# KiCad board berlin.kicad_pcb
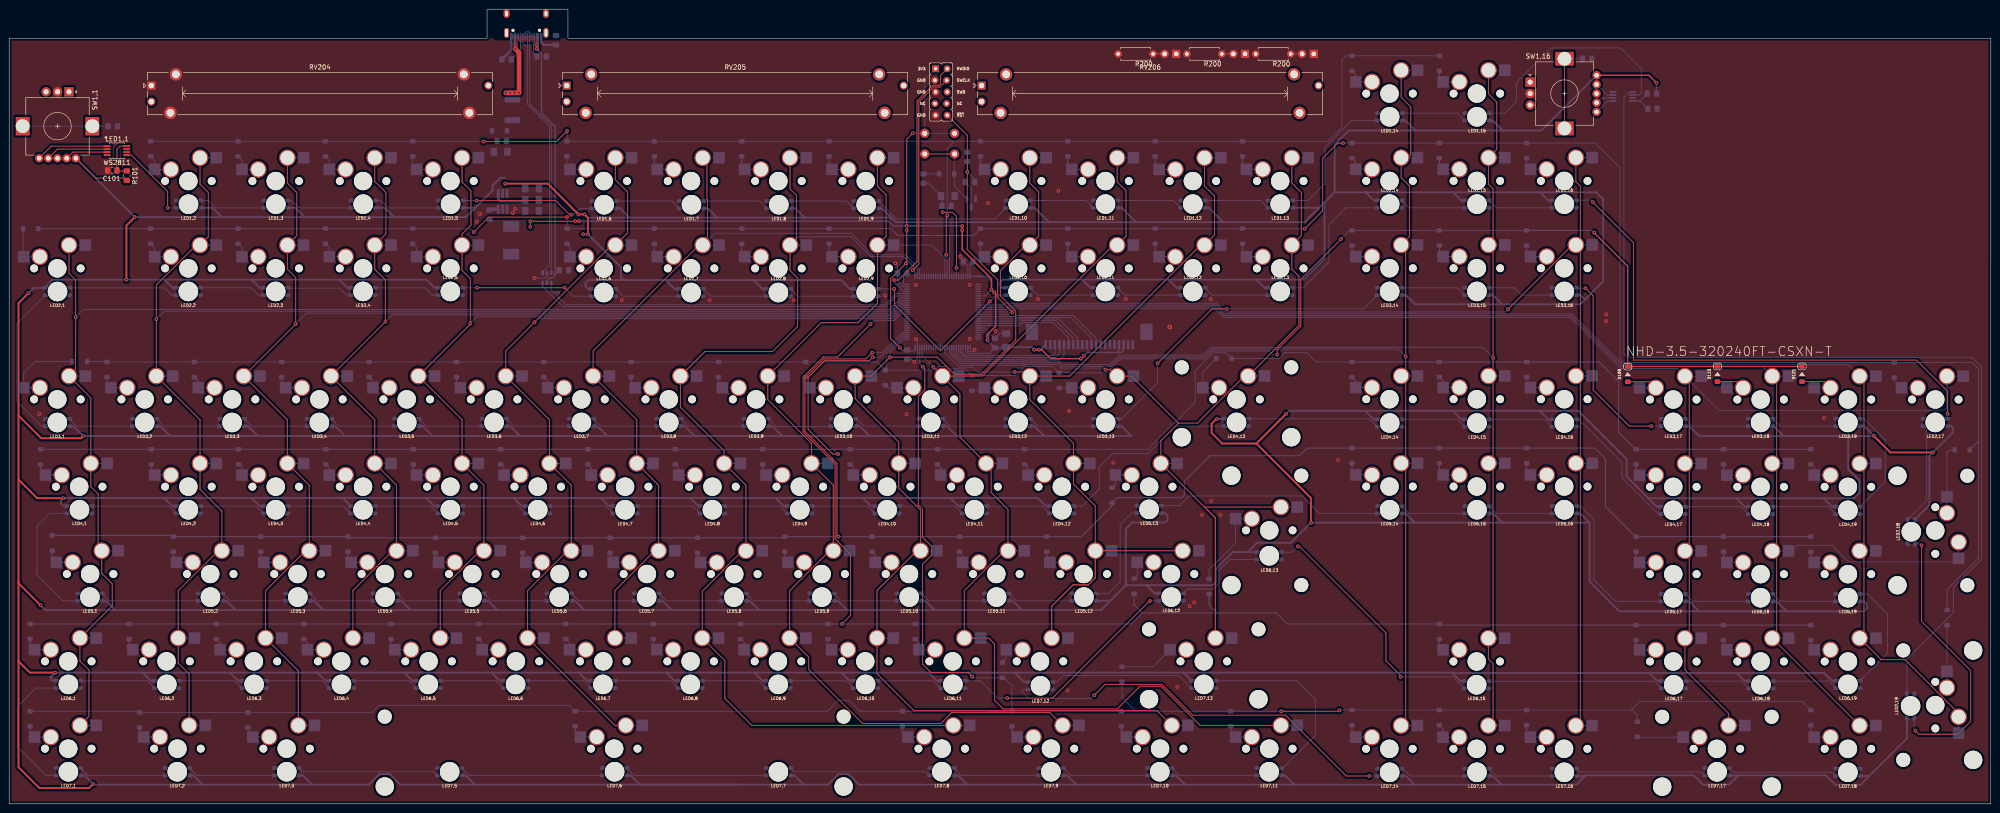
[diagram p0: board, top side]
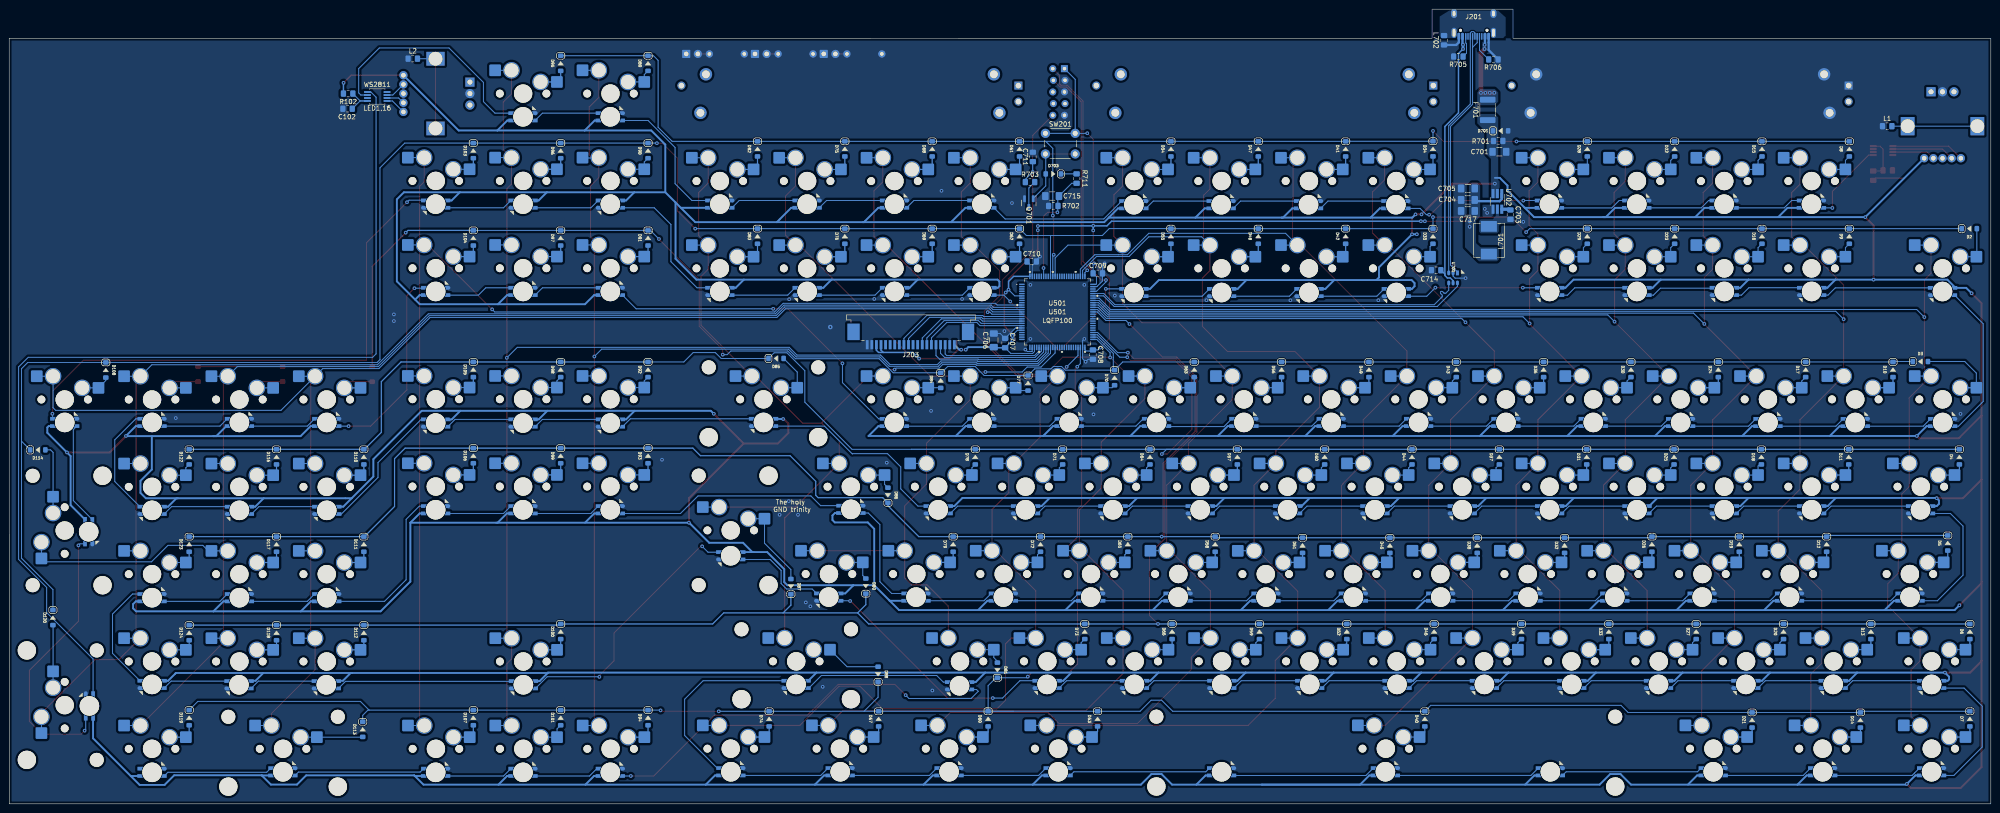
[diagram p1: board, bottom side, seen from below]

Outline 432.2 x 173.35 mm; copper layers: Top, Bottom. Coordinates in mm from the lower left corner of the outline.
Outline path: 121.87,167 432.2,167.02 432.18,0 0,0 0,167 104.22,167 104.22,173.35 121.87,173.35 closed
Stack: Top 0.035mm / dielectric 1.51mm FR4 er 4.5 / Bottom 0.035mm

## Placement (name value [footprint] x y rotation side)
C101  100n  [C_0805_2012Metric_Pad1.15x1.40mm_HandSolder]  22.48 138.18 180 top
C102  100n  [C_0805_2012Metric_Pad1.15x1.40mm_HandSolder]  358.39 151.64 0 bottom
C701  22uF  [C_1206_3216Metric_Pad1.42x1.75mm_HandSolder]  107.19 142.24 180 bottom
C703  100n  [C_0805_2012Metric_Pad1.15x1.40mm_HandSolder]  104.77 128.52 270 bottom
C704  22uF  [C_1206_3216Metric_Pad1.42x1.75mm_HandSolder]  114.05 131.74 0 bottom
C705  22uF  [C_1206_3216Metric_Pad1.42x1.75mm_HandSolder]  114.05 134.24 0 bottom
C706  10u  [C_1206_3216Metric_Pad1.42x1.75mm_HandSolder]  217.45 101.11 90 bottom
C707  100n  [C_0805_2012Metric_Pad1.15x1.40mm_HandSolder]  214.99 100.52 90 bottom
C708  100n  [C_0805_2012Metric_Pad1.15x1.40mm_HandSolder]  195.83 97.99 270 bottom
C709  100n  [C_0805_2012Metric_Pad1.15x1.40mm_HandSolder]  194.77 115.72 180 bottom
C710  100n  [C_0805_2012Metric_Pad1.15x1.40mm_HandSolder]  209.17 118.31 180 bottom
C711  100nF  [C_0805_2012Metric_Pad1.15x1.40mm_HandSolder]  208.94 141.12 90 bottom
C714  4.7n  [C_0805_2012Metric_Pad1.15x1.40mm_HandSolder]  120.98 116.41 0 bottom
C715  10u  [C_1206_3216Metric_Pad1.42x1.75mm_HandSolder]  204.72 132.59 0 bottom
C717  22uF  [C_1206_3216Metric_Pad1.42x1.75mm_HandSolder]  114.05 129.34 0 bottom
D2  1N4148  [D_SOD-123]  4.7 125.48 180 bottom
D3  1N4148  [D_SOD-123]  15.37 96.49 180 bottom
D4  1N4148  [D_SOD-123]  6.86 75.69 270 bottom
D5  1N4148  [D_SOD-123]  9.4 56.9 270 bottom
D6  1N4148  [D_SOD-123]  4.57 37.59 270 bottom
D7  1N4148  [D_SOD-123]  4.57 18.54 270 bottom
D8  1N4148  [D_SOD-123]  30.86 142.88 270 bottom
D9  1N4148  [D_SOD-123]  30.86 123.82 270 bottom
D10  1N4148  [D_SOD-123]  21.34 94.74 270 bottom
D11  1N4148  [D_SOD-123]  30.99 75.69 270 bottom
D12  1N4148  [D_SOD-123]  35.81 56.64 270 bottom
D13  1N4148  [D_SOD-123]  26.16 37.59 270 bottom
D14  1N4148  [D_SOD-123]  28.45 18.29 270 bottom
D15  1N4148  [D_SOD-123]  49.91 142.88 270 bottom
D16  1N4148  [D_SOD-123]  49.91 123.82 270 bottom
D17  1N4148  [D_SOD-123]  40.39 94.74 270 bottom
D18  1N4148  [D_SOD-123]  50.04 75.69 270 bottom
D19  1N4148  [D_SOD-123]  54.86 56.64 270 bottom
D20  1N4148  [D_SOD-123]  45.21 37.59 270 bottom
D21  1N4148  [D_SOD-123]  52.07 18.29 270 bottom
D22  1N4148  [D_SOD-123]  68.96 142.88 270 bottom
D23  1N4148  [D_SOD-123]  68.96 123.82 270 bottom
D24  1N4148  [D_SOD-123]  59.44 94.74 270 bottom
D25  1N4148  [D_SOD-123]  69.09 75.69 270 bottom
D26  1N4148  [D_SOD-123]  73.91 56.64 270 bottom
D27  1N4148  [D_SOD-123]  64.26 37.59 270 bottom
D28  1N4148  [D_SOD-123]  88.01 142.88 270 bottom
D29  1N4148  [D_SOD-123]  88.01 123.82 270 bottom
D30  1N4148  [D_SOD-123]  78.49 94.74 270 bottom
D31  1N4148  [D_SOD-123]  88.14 75.69 270 bottom
D32  1N4148  [D_SOD-123]  92.96 56.39 270 bottom
D33  1N4148  [D_SOD-123]  83.31 37.59 270 bottom
D34  1N4148  [D_SOD-123]  121.67 142.89 270 bottom
D35  1N4148  [D_SOD-123]  121.67 123.82 270 bottom
D36  1N4148  [D_SOD-123]  97.54 94.74 270 bottom
D37  1N4148  [D_SOD-123]  107.19 75.69 270 bottom
D38  1N4148  [D_SOD-123]  112.01 56.39 270 bottom
D39  1N4148  [D_SOD-123]  102.36 37.59 270 bottom
D40  1N4148  [D_SOD-123]  123.44 18.54 270 bottom
D41  1N4148  [D_SOD-123]  140.72 142.88 270 bottom
D42  1N4148  [D_SOD-123]  140.72 123.82 270 bottom
D43  1N4148  [D_SOD-123]  116.59 94.74 270 bottom
D44  1N4148  [D_SOD-123]  126.24 75.69 270 bottom
D45  1N4148  [D_SOD-123]  131.06 56.39 270 bottom
D46  1N4148  [D_SOD-123]  121.41 37.59 270 bottom
D47  1N4148  [D_SOD-123]  159.77 142.88 270 bottom
D48  1N4148  [D_SOD-123]  159.77 123.82 270 bottom
D49  1N4148  [D_SOD-123]  135.64 94.74 270 bottom
D50  1N4148  [D_SOD-123]  145.29 75.69 270 bottom
D51  1N4148  [D_SOD-123]  150.11 56.39 270 bottom
D52  1N4148  [D_SOD-123]  140.46 37.59 270 bottom
D53  1N4148  [D_SOD-123]  194.82 18.54 270 bottom
D54  1N4148  [D_SOD-123]  178.82 142.88 270 bottom
D55  1N4148  [D_SOD-123]  178.82 123.82 270 bottom
D56  1N4148  [D_SOD-123]  154.69 94.74 270 bottom
D57  1N4148  [D_SOD-123]  164.34 75.69 270 bottom
D58  1N4148  [D_SOD-123]  169.16 56.64 270 bottom
D59  1N4148  [D_SOD-123]  159.51 37.59 270 bottom
D60  1N4148  [D_SOD-123]  218.69 18.54 270 bottom
D61  1N4148  [D_SOD-123]  211.84 142.88 270 bottom
D62  1N4148  [D_SOD-123]  211.84 123.82 270 bottom
D63  1N4148  [D_SOD-123]  173.74 94.74 270 bottom
D64  1N4148  [D_SOD-123]  183.39 75.69 270 bottom
D65  1N4148  [D_SOD-123]  188.21 56.64 270 bottom
D66  1N4148  [D_SOD-123]  178.56 37.59 270 bottom
D67  1N4148  [D_SOD-123]  242.57 18.54 270 bottom
D68  1N4148  [D_SOD-123]  230.89 142.88 270 bottom
D69  1N4148  [D_SOD-123]  230.89 123.82 270 bottom
D70  1N4148  [D_SOD-123]  191.11 92.96 270 bottom
D71  1N4148  [D_SOD-123]  202.44 75.69 270 bottom
D72  1N4148  [D_SOD-123]  207.26 56.64 270 bottom
D73  1N4148  [D_SOD-123]  197.61 37.59 270 bottom
D74  1N4148  [D_SOD-123]  266.45 18.54 270 bottom
D75  1N4148  [D_SOD-123]  249.94 142.88 270 bottom
D76  1N4148  [D_SOD-123]  249.94 123.82 270 bottom
D77  1N4148  [D_SOD-123]  209.98 91.8 270 bottom
D78  1N4148  [D_SOD-123]  221.49 75.69 270 bottom
D79  1N4148  [D_SOD-123]  226.31 56.64 270 bottom
D80  1N4148  [D_SOD-123]  245.36 47.5 90 bottom
D81  1N4148  [D_SOD-123]  216.67 29.15 90 bottom
D82  1N4148  [D_SOD-123]  268.99 142.88 270 bottom
D83  1N4148  [D_SOD-123]  268.99 123.82 270 bottom
D84  1N4148  [D_SOD-123]  229.03 92.38 270 bottom
D85  1N4148  [D_SOD-123]  264.94 97.16 180 bottom
D86  1N4148  [D_SOD-123]  240.54 67.31 90 bottom
D87  1N4148  [D_SOD-123]  261.71 47.39 90 bottom
D88  1N4148  [D_SOD-123]  242.69 28.26 90 bottom
D89  1N4148  [D_SOD-123]  292.86 161.54 270 bottom
D90  1N4148  [D_SOD-123]  292.86 142.49 270 bottom
D91  1N4148  [D_SOD-123]  292.86 123.44 270 bottom
D92  1N4148  [D_SOD-123]  292.86 94.74 270 bottom
D93  1N4148  [D_SOD-123]  292.86 75.95 270 bottom
D94  1N4148  [D_SOD-123]  292.86 18.8 270 bottom
D95  1N4148  [D_SOD-123]  311.91 161.54 270 bottom
D96  1N4148  [D_SOD-123]  311.91 142.49 270 bottom
D97  1N4148  [D_SOD-123]  311.91 123.44 270 bottom
D98  1N4148  [D_SOD-123]  311.91 94.74 270 bottom
D99  1N4148  [D_SOD-123]  311.91 75.95 270 bottom
D100  1N4148  [D_SOD-123]  311.91 37.59 270 bottom
D101  1N4148  [D_SOD-123]  311.91 18.8 270 bottom
D103  1N4148  [D_SOD-123]  330.96 142.49 270 bottom
D104  1N4148  [D_SOD-123]  330.96 123.44 270 bottom
D105  1N4148  [D_SOD-123]  330.96 94.74 270 bottom
D106  1N4148  [D_SOD-123]  330.96 75.95 270 bottom
D107  1N4148  [D_SOD-123]  330.96 18.8 270 bottom
D108  1N4148  [D_SOD-123]  411.12 94.64 270 bottom
D109  1N4148  [D_SOD-123]  353.01 93.73 270 top
D110  1N4148  [D_SOD-123]  354.84 75.69 270 bottom
D111  1N4148  [D_SOD-123]  354.84 56.64 270 bottom
D112  1N4148  [D_SOD-123]  354.84 37.34 270 bottom
D113  1N4148  [D_SOD-123]  355.09 16.26 270 bottom
D114  1N4148  [D_SOD-123]  425.96 77.22 180 bottom
D115  1N4148  [D_SOD-123]  372.57 93.75 270 top
D116  1N4148  [D_SOD-123]  373.89 75.69 270 bottom
D117  1N4148  [D_SOD-123]  373.89 56.64 270 bottom
D118  1N4148  [D_SOD-123]  373.89 37.34 270 bottom
D119  1N4148  [D_SOD-123]  392.94 18.8 270 bottom
D120  1N4148  [D_SOD-123]  422.66 40.64 270 bottom
D121  1N4148  [D_SOD-123]  391.01 93.75 270 top
D122  1N4148  [D_SOD-123]  392.94 75.69 270 bottom
D123  1N4148  [D_SOD-123]  392.94 56.64 270 bottom
D124  1N4148  [D_SOD-123]  392.94 37.34 270 bottom
D701  RB060M-60TR  [D_SOD-123]  106.93 146.81 180 bottom
D703  1N4148  [D_SOD-123]  204.47 137.41 0 bottom
F701  1.5A Polyfuse  [Fuse_1812_4532Metric_Pad1.30x3.40mm_HandSolder]  109.73 151.38 90 bottom
J201  TYPE-C-31-M12_13  [TYPE-C-31-M-12]  112.78 166.69 0 bottom
J202  Conn_01x14  [Conn_ARM_JTAG_SWD_10]  203.25 155.3 0 top
J203  -  [TE_2-84953-0_1x20-1MP_P1.0mm_Horizontal]  235.56 101.96 0 bottom
L1  L_Core_Ferrite  [L_0805_2012Metric_Pad1.15x1.40mm_HandSolder]  22.61 147.83 180 bottom
L2  L_Core_Ferrite  [L_0805_2012Metric_Pad1.15x1.40mm_HandSolder]  344.17 162.56 180 bottom
L701  6.8uH  [Sumida0624CDMCC]  109.47 122.94 270 bottom
L702  L_Core_Ferrite  [L_0805_2012Metric_Pad1.15x1.40mm_HandSolder]  119.25 166.57 270 bottom
LED1,1  WS2811  [WS2811S]  23.49 142.49 0 top
LED1,2  WS2812B  [SK6812MINI_3535_6028_3.2x2.8mm_Round]  39.12 130.81 0 top
LED1,3  WS2812B  [SK6812MINI_3535_6028_3.2x2.8mm_Round]  58.17 130.81 0 top
LED1,4  WS2812B  [SK6812MINI_3535_6028_3.2x2.8mm_Round]  77.22 130.81 0 top
LED1,5  WS2812B  [SK6812MINI_3535_6028_3.2x2.8mm_Round]  96.27 130.81 0 top
LED1,6  WS2812B  [SK6812MINI_3535_6028_3.2x2.8mm_Round]  129.76 130.7 0 top
LED1,7  WS2812B  [SK6812MINI_3535_6028_3.2x2.8mm_Round]  148.81 130.7 0 top
LED1,8  WS2812B  [SK6812MINI_3535_6028_3.2x2.8mm_Round]  167.86 130.7 0 top
LED1,9  WS2812B  [SK6812MINI_3535_6028_3.2x2.8mm_Round]  186.91 130.7 0 top
LED1,10  WS2812B  [SK6812MINI_3535_6028_3.2x2.8mm_Round]  220.05 130.82 0 top
LED1,11  WS2812B  [SK6812MINI_3535_6028_3.2x2.8mm_Round]  239.1 130.82 0 top
LED1,12  WS2812B  [SK6812MINI_3535_6028_3.2x2.8mm_Round]  258.15 130.82 0 top
LED1,13  WS2812B  [SK6812MINI_3535_6028_3.2x2.8mm_Round]  277.2 130.82 0 top
LED1,14  WS2812B  [SK6812MINI_3535_6028_3.2x2.8mm_Round]  301.08 149.87 0 top
LED1,15  WS2812B  [SK6812MINI_3535_6028_3.2x2.8mm_Round]  320.13 149.87 0 top
LED1,16  WS2811  [WS2811S]  351.92 154.31 0 bottom
LED2,1  WS2812B  [SK6812MINI_3535_6028_3.2x2.8mm_Round]  10.54 111.76 180 top
LED2,2  WS2812B  [SK6812MINI_3535_6028_3.2x2.8mm_Round]  39.08 111.77 180 top
LED2,3  WS2812B  [SK6812MINI_3535_6028_3.2x2.8mm_Round]  58.13 111.77 180 top
LED2,4  WS2812B  [SK6812MINI_3535_6028_3.2x2.8mm_Round]  77.18 111.77 180 top
LED2,5  WS2812B  [SK6812MINI_3535_6028_3.2x2.8mm_Round]  96.23 111.77 180 top
LED2,6  WS2812B  [SK6812MINI_3535_6028_3.2x2.8mm_Round]  129.67 111.54 180 top
LED2,7  WS2812B  [SK6812MINI_3535_6028_3.2x2.8mm_Round]  148.72 111.54 180 top
LED2,8  WS2812B  [SK6812MINI_3535_6028_3.2x2.8mm_Round]  167.77 111.54 180 top
LED2,9  WS2812B  [SK6812MINI_3535_6028_3.2x2.8mm_Round]  186.92 111.54 180 top
LED2,10  WS2812B  [SK6812MINI_3535_6028_3.2x2.8mm_Round]  220.05 111.77 180 top
LED2,11  WS2812B  [SK6812MINI_3535_6028_3.2x2.8mm_Round]  239.1 111.77 180 top
LED2,12  WS2812B  [SK6812MINI_3535_6028_3.2x2.8mm_Round]  258.15 111.77 180 top
LED2,13  WS2812B  [SK6812MINI_3535_6028_3.2x2.8mm_Round]  277.2 111.77 180 top
LED2,14  WS2812B  [SK6812MINI_3535_6028_3.2x2.8mm_Round]  301.08 130.82 180 top
LED2,15  WS2812B  [SK6812MINI_3535_6028_3.2x2.8mm_Round]  320.13 130.82 180 top
LED2,16  WS2812B  [SK6812MINI_3535_6028_3.2x2.8mm_Round]  339.18 130.82 180 top
LED2,17  WS2812B  [SK6812MINI_3535_6028_3.2x2.8mm_Round]  420.08 83.2 0 top
LED2,18  WS2812B  [SK6812MINI_3535_6028_3.2x2.8mm_Round]  414.86 59.36 90 top
LED2,19  WS2812B  [SK6812MINI_3535_6028_3.2x2.8mm_Round]  414.7 21.36 270 top
LED3,1  WS2812B  [SK6812MINI_3535_6028_3.2x2.8mm_Round]  10.5 83.19 0 top
LED3,2  WS2812B  [SK6812MINI_3535_6028_3.2x2.8mm_Round]  29.55 83.19 0 top
LED3,3  WS2812B  [SK6812MINI_3535_6028_3.2x2.8mm_Round]  48.6 83.19 0 top
LED3,4  WS2812B  [SK6812MINI_3535_6028_3.2x2.8mm_Round]  67.65 83.19 0 top
LED3,5  WS2812B  [SK6812MINI_3535_6028_3.2x2.8mm_Round]  86.7 83.2 0 top
LED3,6  WS2812B  [SK6812MINI_3535_6028_3.2x2.8mm_Round]  105.75 83.2 0 top
LED3,7  WS2812B  [SK6812MINI_3535_6028_3.2x2.8mm_Round]  124.8 83.2 0 top
LED3,8  WS2812B  [SK6812MINI_3535_6028_3.2x2.8mm_Round]  143.85 83.2 0 top
LED3,9  WS2812B  [SK6812MINI_3535_6028_3.2x2.8mm_Round]  162.9 83.2 0 top
LED3,10  WS2812B  [SK6812MINI_3535_6028_3.2x2.8mm_Round]  181.95 83.2 0 top
LED3,11  WS2812B  [SK6812MINI_3535_6028_3.2x2.8mm_Round]  201 83.2 0 top
LED3,12  WS2812B  [SK6812MINI_3535_6028_3.2x2.8mm_Round]  220.05 83.2 0 top
LED3,13  WS2812B  [SK6812MINI_3535_6028_3.2x2.8mm_Round]  239.14 83.19 0 top
LED3,14  WS2812B  [SK6812MINI_3535_6028_3.2x2.8mm_Round]  301.08 111.77 0 top
LED3,15  WS2812B  [SK6812MINI_3535_6028_3.2x2.8mm_Round]  320.13 111.77 0 top
LED3,16  WS2812B  [SK6812MINI_3535_6028_3.2x2.8mm_Round]  339.18 111.77 0 top
LED3,17  WS2812B  [SK6812MINI_3535_6028_3.2x2.8mm_Round]  362.93 83.2 0 top
LED3,18  WS2812B  [SK6812MINI_3535_6028_3.2x2.8mm_Round]  381.98 83.2 0 top
LED3,19  WS2812B  [SK6812MINI_3535_6028_3.2x2.8mm_Round]  401.03 83.2 0 top
LED4,1  WS2812B  [SK6812MINI_3535_6028_3.2x2.8mm_Round]  15.33 64.15 180 top
LED4,2  WS2812B  [SK6812MINI_3535_6028_3.2x2.8mm_Round]  39.08 64.15 180 top
LED4,3  WS2812B  [SK6812MINI_3535_6028_3.2x2.8mm_Round]  58.13 64.15 180 top
LED4,4  WS2812B  [SK6812MINI_3535_6028_3.2x2.8mm_Round]  77.18 64.15 180 top
LED4,5  WS2812B  [SK6812MINI_3535_6028_3.2x2.8mm_Round]  96.23 64.15 180 top
LED4,6  WS2812B  [SK6812MINI_3535_6028_3.2x2.8mm_Round]  115.28 64.15 180 top
LED4,7  WS2812B  [SK6812MINI_3535_6028_3.2x2.8mm_Round]  134.33 64.15 180 top
LED4,8  WS2812B  [SK6812MINI_3535_6028_3.2x2.8mm_Round]  153.38 64.15 180 top
LED4,9  WS2812B  [SK6812MINI_3535_6028_3.2x2.8mm_Round]  172.43 64.15 180 top
LED4,10  WS2812B  [SK6812MINI_3535_6028_3.2x2.8mm_Round]  191.48 64.15 180 top
LED4,11  WS2812B  [SK6812MINI_3535_6028_3.2x2.8mm_Round]  210.53 64.15 180 top
LED4,12  WS2812B  [SK6812MINI_3535_6028_3.2x2.8mm_Round]  229.58 64.15 180 top
LED4,13  WS2812B  [SK6812MINI_3535_6028_3.2x2.8mm_Round]  267.68 83.2 180 top
LED4,14  WS2812B  [SK6812MINI_3535_6028_3.2x2.8mm_Round]  301.08 83.07 180 top
LED4,15  WS2812B  [SK6812MINI_3535_6028_3.2x2.8mm_Round]  320.13 83.07 180 top
LED4,16  WS2812B  [SK6812MINI_3535_6028_3.2x2.8mm_Round]  339.18 83.07 180 top
LED4,17  WS2812B  [SK6812MINI_3535_6028_3.2x2.8mm_Round]  362.93 64.02 180 top
LED4,18  WS2812B  [SK6812MINI_3535_6028_3.2x2.8mm_Round]  381.98 64.02 180 top
LED4,19  WS2812B  [SK6812MINI_3535_6028_3.2x2.8mm_Round]  401.03 64.02 180 top
LED5,1  WS2812B  [SK6812MINI_3535_6028_3.2x2.8mm_Round]  17.62 45.1 0 top
LED5,2  WS2812B  [SK6812MINI_3535_6028_3.2x2.8mm_Round]  43.9 45.1 0 top
LED5,3  WS2812B  [SK6812MINI_3535_6028_3.2x2.8mm_Round]  62.95 45.1 0 top
LED5,4  WS2812B  [SK6812MINI_3535_6028_3.2x2.8mm_Round]  82 45.1 0 top
LED5,5  WS2812B  [SK6812MINI_3535_6028_3.2x2.8mm_Round]  100.93 45.1 0 top
LED5,6  WS2812B  [SK6812MINI_3535_6028_3.2x2.8mm_Round]  119.98 45.1 0 top
LED5,7  WS2812B  [SK6812MINI_3535_6028_3.2x2.8mm_Round]  139.03 45.1 0 top
LED5,8  WS2812B  [SK6812MINI_3535_6028_3.2x2.8mm_Round]  158.08 45.1 0 top
LED5,9  WS2812B  [SK6812MINI_3535_6028_3.2x2.8mm_Round]  177.25 45.1 0 top
LED5,10  WS2812B  [SK6812MINI_3535_6028_3.2x2.8mm_Round]  196.3 45.1 0 top
LED5,11  WS2812B  [SK6812MINI_3535_6028_3.2x2.8mm_Round]  215.35 45.1 0 top
LED5,12  WS2812B  [SK6812MINI_3535_6028_3.2x2.8mm_Round]  234.4 45.1 0 top
LED5,13  WS2812B  [SK6812MINI_3535_6028_3.2x2.8mm_Round]  248.62 64.24 0 top
LED5,14  WS2812B  [SK6812MINI_3535_6028_3.2x2.8mm_Round]  301.08 64.15 0 top
LED5,15  WS2812B  [SK6812MINI_3535_6028_3.2x2.8mm_Round]  320.13 64.15 0 top
LED5,16  WS2812B  [SK6812MINI_3535_6028_3.2x2.8mm_Round]  339.18 64.15 0 top
LED5,17  WS2812B  [SK6812MINI_3535_6028_3.2x2.8mm_Round]  362.93 44.97 0 top
LED5,18  WS2812B  [SK6812MINI_3535_6028_3.2x2.8mm_Round]  381.98 44.97 0 top
LED5,19  WS2812B  [SK6812MINI_3535_6028_3.2x2.8mm_Round]  401.03 44.97 0 top
LED6,1  WS2812B  [SK6812MINI_3535_6028_3.2x2.8mm_Round]  12.92 26.05 180 top
LED6,2  WS2812B  [SK6812MINI_3535_6028_3.2x2.8mm_Round]  34.38 26.05 180 top
LED6,3  WS2812B  [SK6812MINI_3535_6028_3.2x2.8mm_Round]  53.43 26.05 180 top
LED6,4  WS2812B  [SK6812MINI_3535_6028_3.2x2.8mm_Round]  72.48 26.05 180 top
LED6,5  WS2812B  [SK6812MINI_3535_6028_3.2x2.8mm_Round]  91.4 26.05 180 top
LED6,6  WS2812B  [SK6812MINI_3535_6028_3.2x2.8mm_Round]  110.45 26.05 180 top
LED6,7  WS2812B  [SK6812MINI_3535_6028_3.2x2.8mm_Round]  129.5 26.05 180 top
LED6,8  WS2812B  [SK6812MINI_3535_6028_3.2x2.8mm_Round]  148.55 26.05 180 top
LED6,9  WS2812B  [SK6812MINI_3535_6028_3.2x2.8mm_Round]  167.73 26.05 180 top
LED6,10  WS2812B  [SK6812MINI_3535_6028_3.2x2.8mm_Round]  186.78 26.05 180 top
LED6,11  WS2812B  [SK6812MINI_3535_6028_3.2x2.8mm_Round]  205.83 26.05 180 top
LED6,12  WS2812B  [SK6812MINI_3535_6028_3.2x2.8mm_Round]  253.45 45.1 180 top
LED6,13  WS2812B  [SK6812MINI_3535_6028_3.2x2.8mm_Round]  274.83 54.12 180 top
LED6,15  WS2812B  [SK6812MINI_3535_6028_3.2x2.8mm_Round]  320.05 25.97 180 top
LED6,17  WS2812B  [SK6812MINI_3535_6028_3.2x2.8mm_Round]  363.03 25.97 180 top
LED6,18  WS2812B  [SK6812MINI_3535_6028_3.2x2.8mm_Round]  382.08 25.97 180 top
LED6,19  WS2812B  [SK6812MINI_3535_6028_3.2x2.8mm_Round]  401.03 26.05 180 top
LED7,1  WS2812B  [SK6812MINI_3535_6028_3.2x2.8mm_Round]  12.92 7 0 top
LED7,2  WS2812B  [SK6812MINI_3535_6028_3.2x2.8mm_Round]  36.67 7 0 top
LED7,3  WS2812B  [SK6812MINI_3535_6028_3.2x2.8mm_Round]  60.54 7 0 top
LED7,5  WS2812B  [SK6812MINI_3535_6028_3.2x2.8mm_Round]  96.07 6.99 0 top
LED7,6  WS2812B  [SK6812MINI_3535_6028_3.2x2.8mm_Round]  132.04 7 0 top
LED7,7  WS2812B  [SK6812MINI_3535_6028_3.2x2.8mm_Round]  167.77 6.99 0 top
LED7,8  WS2812B  [SK6812MINI_3535_6028_3.2x2.8mm_Round]  203.42 7 0 top
LED7,9  WS2812B  [SK6812MINI_3535_6028_3.2x2.8mm_Round]  227.2 7 0 top
LED7,10  WS2812B  [SK6812MINI_3535_6028_3.2x2.8mm_Round]  250.95 7 0 top
LED7,11  WS2812B  [SK6812MINI_3535_6028_3.2x2.8mm_Round]  274.79 7 0 top
LED7,12  WS2812B  [SK6812MINI_3535_6028_3.2x2.8mm_Round]  224.93 25.75 180 top
LED7,13  WS2812B  [SK6812MINI_3535_6028_3.2x2.8mm_Round]  260.57 26.05 180 top
LED7,14  WS2812B  [SK6812MINI_3535_6028_3.2x2.8mm_Round]  301.08 6.87 0 top
LED7,15  WS2812B  [SK6812MINI_3535_6028_3.2x2.8mm_Round]  320.13 6.87 0 top
LED7,16  WS2812B  [SK6812MINI_3535_6028_3.2x2.8mm_Round]  339.18 6.87 0 top
LED7,17  WS2812B  [SK6812MINI_3535_6028_3.2x2.8mm_Round]  372.49 6.98 0 top
LED7,18  WS2812B  [SK6812MINI_3535_6028_3.2x2.8mm_Round]  401.03 6.87 0 top
LED36  LED  [LED_THT_2.54mm]  268.27 163.59 0 top
LED36#2  LED  [LED_THT_2.54mm]  283.27 163.59 0 top
LED36#3  LED  [LED_THT_2.54mm]  253.27 163.59 0 top
Q701  DTC123J  [SOT-23]  209.8 131.06 270 bottom
R101  33  [R_0805_2012Metric_Pad1.15x1.40mm_HandSolder]  25.65 137.03 90 top
R102  33  [R_0805_2012Metric_Pad1.15x1.40mm_HandSolder]  358.27 154.94 180 bottom
R200  330  [R_Axial_DIN0207_L6.3mm_D2.5mm_P7.62mm_Horizontal]  241.87 163.59 0 top
R200#2  330  [R_Axial_DIN0207_L6.3mm_D2.5mm_P7.62mm_Horizontal]  256.87 163.59 0 top
R200#3  330  [R_Axial_DIN0207_L6.3mm_D2.5mm_P7.62mm_Horizontal]  271.87 163.59 0 top
R701  100k  [R_0805_2012Metric_Pad1.15x1.40mm_HandSolder]  107.44 144.61 0 bottom
R702  1M 1%  [R_0805_2012Metric_Pad1.15x1.40mm_HandSolder]  204.47 130.43 180 bottom
R703  100 1%  [R_0805_2012Metric_Pad1.15x1.40mm_HandSolder]  209.55 135.64 180 bottom
R705  5.1k  [R_0805_2012Metric_Pad1.15x1.40mm_HandSolder]  116.13 163.02 180 bottom
R706  5.1k  [R_0805_2012Metric_Pad1.15x1.40mm_HandSolder]  108.48 162.38 180 bottom
R711  330k 1%  [R_0805_2012Metric_Pad1.15x1.40mm_HandSolder]  199.39 136.4 90 bottom
RV204  -  [Potentiometer_Bourns_PTA6043_Single_Slide]  31.01 156.69 0 top
RV205  -  [Potentiometer_Bourns_PTA6043_Single_Slide]  121.59 156.69 0 top
RV206  -  [Potentiometer_Bourns_PTA6043_Single_Slide]  212.08 156.69 0 top
SW1,1  RotaryEncoder_x15141-Switch_RGB  [RotaryEncoder_Switch_RGB]  13.04 155.33 270 top
SW1,2  MXSwitch  [MX100H]  39.08 135.86 180 bottom
SW1,3  MXSwitch  [MX100H]  58.13 135.86 180 bottom
SW1,4  MXSwitch  [MX100H]  77.18 135.86 180 bottom
SW1,5  MXSwitch  [MX100H]  96.23 135.86 180 bottom
SW1,6  MXSwitch  [MX100H]  129.67 135.86 180 bottom
SW1,7  MXSwitch  [MX100H]  148.72 135.86 180 bottom
SW1,8  MXSwitch  [MX100H]  167.77 135.86 180 bottom
SW1,9  MXSwitch  [MX100H]  186.82 135.86 180 bottom
SW1,10  MXSwitch  [MX100H]  220.06 135.86 180 bottom
SW1,11  MXSwitch  [MX100H]  239.11 135.86 180 bottom
SW1,12  MXSwitch  [MX100H]  258.16 135.86 180 bottom
SW1,13  MXSwitch  [MX100H]  277.21 135.86 180 bottom
SW1,14  MXSwitch  [MX100H]  301.05 154.94 180 bottom
SW1,15  MXSwitch  [MX100H]  320.1 154.94 180 bottom
SW1,16  RotaryEncoder_x15141-Switch_RGB  [RotaryEncoder_Switch_RGB]  331.71 157.44 0 top
SW2,1  MXSwitch  [MX100H]  10.51 116.81 180 bottom
SW2,2  MXSwitch  [MX100H]  39.08 116.81 180 bottom
SW2,3  MXSwitch  [MX100H]  58.13 116.81 180 bottom
SW2,4  MXSwitch  [MX100H]  77.18 116.81 180 bottom
SW2,5  MXSwitch  [MX100H]  96.24 116.81 180 bottom
SW2,6  MXSwitch  [MX100H]  129.67 116.81 180 bottom
SW2,7  MXSwitch  [MX100H]  148.72 116.81 180 bottom
SW2,8  MXSwitch  [MX100H]  167.77 116.81 180 bottom
SW2,9  MXSwitch  [MX100H]  186.82 116.81 180 bottom
SW2,10  MXSwitch  [MX100H]  220.06 116.81 180 bottom
SW2,11  MXSwitch  [MX100H]  239.11 116.81 180 bottom
SW2,12  MXSwitch  [MX100H]  258.16 116.81 180 bottom
SW2,13  MXSwitch  [MX100H]  277.21 116.81 180 bottom
SW2,14  MXSwitch  [MX100H]  301.05 135.89 180 bottom
SW2,15  MXSwitch  [MX100H]  320.1 135.89 180 bottom
SW2,16  MXSwitch  [MX100H]  339.15 135.89 180 bottom
SW2,17  MXSwitch  [MX100H]  420.08 88.2 180 bottom
SW2,18  MXSwitch  [MX200H]  420.08 59.63 90 bottom
SW2,19  2,19  [MX200HR]  420.08 21.53 90 bottom
SW3,1  MXSwitch  [MX100H]  10.51 88.23 180 bottom
SW3,2  MXSwitch  [MX100H]  29.56 88.23 180 bottom
SW3,3  MXSwitch  [MX100H]  48.61 88.23 180 bottom
SW3,4  MXSwitch  [MX100H]  67.66 88.23 180 bottom
SW3,5  MXSwitch  [MX100H]  86.71 88.23 180 bottom
SW3,6  MXSwitch  [MX100H]  105.76 88.23 180 bottom
SW3,7  MXSwitch  [MX100H]  124.81 88.23 180 bottom
SW3,8  MXSwitch  [MX100H]  143.86 88.23 180 bottom
SW3,9  MXSwitch  [MX100H]  162.91 88.23 180 bottom
SW3,10  MXSwitch  [MX100H]  181.96 88.23 180 bottom
SW3,11  MXSwitch  [MX100H]  201.01 88.23 180 bottom
SW3,12  MXSwitch  [MX100H]  220.06 88.23 180 bottom
SW3,13  MXSwitch  [MX100H]  239.11 88.23 180 bottom
SW3,14  MXSwitch  [MX100H]  301.05 116.84 180 bottom
SW3,15  MXSwitch  [MX100H]  320.1 116.84 180 bottom
SW3,16  MXSwitch  [MX100H]  339.15 116.84 180 bottom
SW3,17  MXSwitch  [MX100H]  362.93 88.2 180 bottom
SW3,18  MXSwitch  [MX100H]  381.98 88.2 180 bottom
SW3,19  MXSwitch  [MX100H]  401.03 88.2 180 bottom
SW4,1  MXSwitch  [MX150H]  15.27 69.18 180 bottom
SW4,2  MXSwitch  [MX100H]  39.08 69.18 180 bottom
SW4,3  MXSwitch  [MX100H]  58.13 69.18 180 bottom
SW4,4  MXSwitch  [MX100H]  77.18 69.18 180 bottom
SW4,5  MXSwitch  [MX100H]  96.23 69.18 180 bottom
SW4,6  MXSwitch  [MX100H]  115.28 69.18 180 bottom
SW4,7  MXSwitch  [MX100H]  134.33 69.18 180 bottom
SW4,8  MXSwitch  [MX100H]  153.38 69.18 180 bottom
SW4,9  MXSwitch  [MX100H]  172.43 69.18 180 bottom
SW4,10  MXSwitch  [MX100H]  191.48 69.18 180 bottom
SW4,11  MXSwitch  [MX100H]  210.53 69.18 180 bottom
SW4,12  MXSwitch  [MX100H]  229.58 69.18 180 bottom
SW4,13  MXSwitch  [MX200H]  267.68 88.23 180 bottom
SW4,14  MXSwitch  [MX100H]  301.05 88.26 180 bottom
SW4,15  MXSwitch  [MX100H]  320.1 88.26 180 bottom
SW4,16  MXSwitch  [MX100H]  339.15 88.26 180 bottom
SW4,17  MXSwitch  [MX100H]  362.93 69.15 180 bottom
SW4,18  MXSwitch  [MX100H]  381.98 69.15 180 bottom
SW4,19  MXSwitch  [MX100H]  401.03 69.15 180 bottom
SW5,1  MXSwitch  [MX175H]  17.65 50.13 180 bottom
SW5,2  MXSwitch  [MX100H]  43.85 50.13 180 bottom
SW5,3  MXSwitch  [MX100H]  62.9 50.13 180 bottom
SW5,4  MXSwitch  [MX100H]  81.95 50.13 180 bottom
SW5,5  MXSwitch  [MX100H]  101 50.13 180 bottom
SW5,6  MXSwitch  [MX100H]  120.05 50.13 180 bottom
SW5,7  MXSwitch  [MX100H]  139.1 50.13 180 bottom
SW5,8  MXSwitch  [MX100H]  158.14 50.11 180 bottom
SW5,9  MXSwitch  [MX100H]  177.2 50.13 180 bottom
SW5,10  MXSwitch  [MX100H]  196.25 50.13 180 bottom
SW5,11  MXSwitch  [MX100H]  215.3 50.13 180 bottom
SW5,12  MXSwitch  [MX100H]  234.35 50.13 180 bottom
SW5,13  MXSwitch  [MX100H]  248.63 69.18 180 bottom
SW5,14  MXSwitch  [MX100H]  301.05 69.22 180 bottom
SW5,15  MXSwitch  [MX100H]  320.1 69.22 180 bottom
SW5,16  MXSwitch  [MX100H]  339.15 69.22 180 bottom
SW5,17  MXSwitch  [MX100H]  362.93 50.1 180 bottom
SW5,18  MXSwitch  [MX100H]  381.98 50.1 180 bottom
SW5,19  MXSwitch  [MX100H]  401.03 50.1 180 bottom
SW6,1  MXSwitch  [MX125H]  12.89 31.08 180 bottom
SW6,2  MXSwitch  [MX100H]  34.32 31.08 180 bottom
SW6,3  MXSwitch  [MX100H]  53.37 31.08 180 bottom
SW6,4  MXSwitch  [MX100H]  72.42 31.08 180 bottom
SW6,5  MXSwitch  [MX100H]  91.47 31.08 180 bottom
SW6,6  MXSwitch  [MX100H]  110.52 31.08 180 bottom
SW6,7  MXSwitch  [MX100H]  129.57 31.08 180 bottom
SW6,8  MXSwitch  [MX100H]  148.62 31.08 180 bottom
SW6,9  MXSwitch  [MX100H]  167.67 31.08 180 bottom
SW6,10  MXSwitch  [MX100H]  186.72 31.08 180 bottom
SW6,11  MXSwitch  [MX100H]  205.77 31.08 180 bottom
SW6,12  MXSwitch  [MX100H]  253.4 50.13 180 bottom
SW6,13  MXSwitch  [MX_ISOEnterH]  274.83 59.66 180 bottom
SW6,15  MXSwitch  [MX100H]  320.07 31.05 180 bottom